# Altium PCB higgs.PcbDoc (part 21 of 25) (continued)
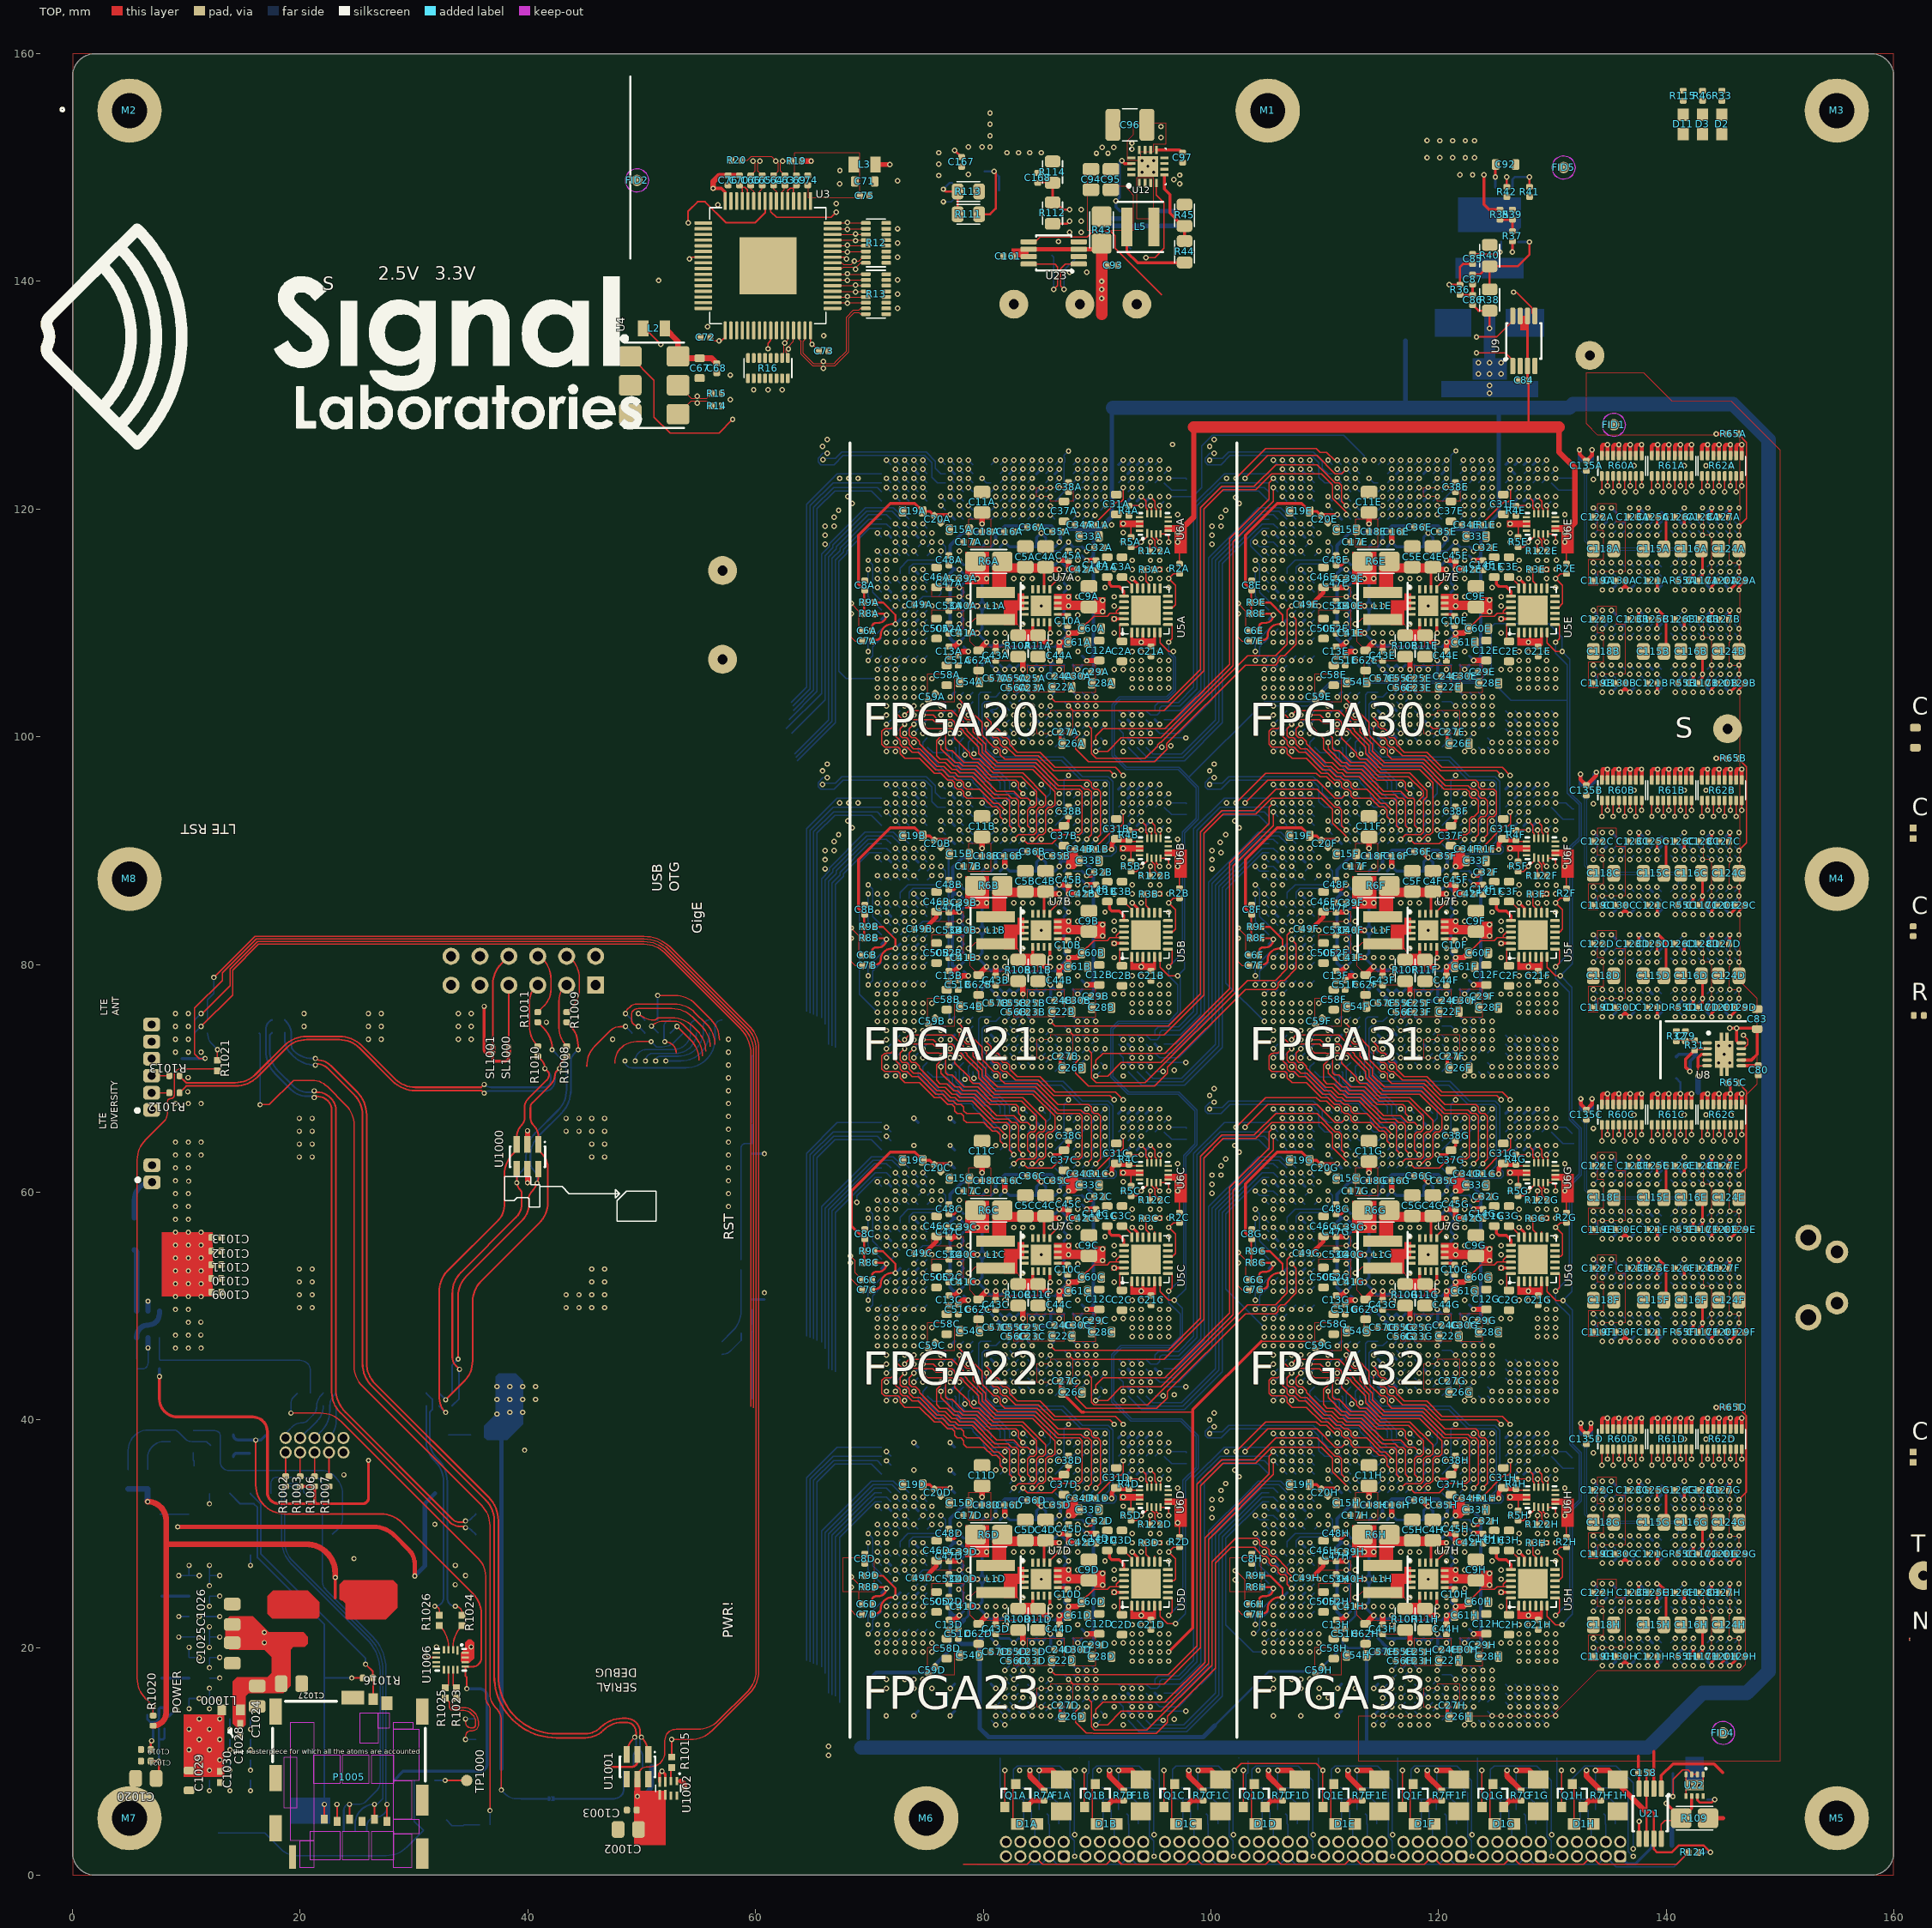
[diagram p0: TOP view]
## Nets (pads, with @x,y where several pads share a name; then routed paths per layer and width w, separated by ;. In a path a pad name is that pad's centre, name@x,y a point inside that pad or via, vN(x,y) a via of type N, cw(c..) or ccw(c..) an arc to the next point about the centre after c; other vN are vias at no path point) (continued)
  BOT w0.102: U1D.B17@71.9,25.6 v1(72.3,26) ; U1C.B17@71.9,54.1 v1(72.3,54.5) ; U1B.B17@71.9,82.6 v1(72.3,83) ; U1A.B17@71.9,111.1 v1(72.3,111.5) ; U1H.C15@106.7,27.2 U1H.C15@106.7,27.2 v1(107.099,27.599) ; U1G.C15@106.699,55.699 U1G.C15@106.7,55.7 v1(107.099,56.099) ; U1F.C15@106.7,84.2 U1F.C15@106.7,84.2 v1(107.099,84.599) ; U1E.C15@106.699,112.699 v1(107.099,113.099)
IMIB135.S29: U1A.A17 U1B.A17 U1C.A17 U1D.A17 U1E.C13 U1F.C13 U1G.C13 U1H.C13 | length 290.1
  S3(V12/V2V5) w0.102: v1(69.9,114.7) 69.501,114.301 69.501,86.599 v1(69.9,86.2) 69.501,85.801 69.501,58.099 v1(69.9,57.7) 69.501,57.301 69.501,29.599 v1(69.9,29.2) 69.501,28.801 69.501,26.635 72.136,23.999 72.465,23.999 72.699,23.765 72.699,23.437 72.936,23.199 73.265,23.199 73.501,22.964 73.501,22.635 74.136,22 75.706,22 76.856,20.85 77.3,20.85 79.52,18.63 79.52,17.677 79.525,17.672 79.525,17.528 79.52,17.523 79.52,15.816 80.136,15.199 80.465,15.199 80.701,14.964 80.701,14.635 80.936,14.399 81.265,14.399 81.501,14.164 81.501,13.835 81.735,13.601 82.265,13.601 82.456,13.41 82.69,13.41 83.45,12.65 ; 83.45,12.625 96.589,12.625 104.301,20.336 104.301,20.565 104.535,20.799 104.864,20.799 105.101,21.037 105.101,21.365 105.335,21.599 105.67,21.599 106.701,22.63 106.701,22.965 106.935,23.199 107.264,23.199 107.501,23.437 107.501,23.765 107.735,23.999 108.064,23.999 108.299,24.235 108.299,24.564 108.535,24.799 108.87,24.799 110.699,26.629 110.699,30.401 v1(110.3,30.8) 110.699,31.199 110.699,58.901 v1(110.3,59.3) 110.699,59.699 110.699,87.401 v1(110.3,87.8) 110.699,88.199 110.699,115.901 v1(110.3,116.3) 110.699,116.699 110.699,124.594 106.299,128.994 106.299,131.665
  BOT w0.102: v1(69.9,29.2) 69.9,26.8 U1D.A17@71.1,25.6 ; v1(69.9,57.7) 69.9,55.3 U1C.A17@71.1,54.1 ; v1(69.9,86.2) 69.9,83.8 U1B.A17@71.1,82.6 ; v1(69.9,114.7) 69.9,112.3 U1A.A17@71.1,111.1 ; U1H.C13@106.7,28.8 106.7,29.3 107.4,30 110.065,30 110.3,30.235 v1(110.3,30.8) ; U1G.C13@106.7,57.3 106.7,57.8 107.4,58.5 110.065,58.5 110.3,58.735 v1(110.3,59.3) ; U1F.C13@106.7,85.8 106.7,86.3 107.4,87 110.065,87 110.3,87.235 v1(110.3,87.8) ; U1E.C13@106.7,114.3 106.7,114.8 107.4,115.5 110.065,115.5 110.3,115.735 v1(110.3,116.3)
INA: T9.3
INB: T7.3
JTAG_13.TDI: J5A.9 | length 5.3
  S5(V) w0.1: 76.975,0.96 81.31,0.96 J5A.9@82,1.65
JTAG_20.TDI: J5A.7 J5B.9 | length 6.3
  S5(V) w0.1: J5A.7@83.27,1.65 83.96,0.96 88.295,0.96 J5B.9@88.985,1.65
JTAG_21.TDI: J5B.7 J5C.9 | length 6.3
  S5(V) w0.1: J5B.7@90.255,1.65 90.945,0.96 95.28,0.96 J5C.9@95.97,1.65
JTAG_22.TDI: J5C.7 J5D.9 | length 6.3
  S5(V) w0.1: J5C.7@97.24,1.65 97.93,0.96 102.265,0.96 J5D.9@102.955,1.65
JTAG_23.TDI: J5D.7 J5E.9 | length 6.3
  S5(V) w0.1: J5D.7@104.225,1.65 104.915,0.96 109.25,0.96 J5E.9@109.94,1.65
JTAG_30.TDI: J5E.7 J5F.9 | length 6.3
  S5(V) w0.1: J5E.7@111.21,1.65 111.9,0.96 116.235,0.96 J5F.9@116.925,1.65
JTAG_31.TDI: J5F.7 J5G.9 | length 6.3
  S5(V) w0.1: J5F.7@118.195,1.65 118.885,0.96 123.22,0.96 J5G.9@123.91,1.65
JTAG_32.TDI: J5G.7 J5H.9 | length 6.3
  S5(V) w0.1: J5G.7@125.18,1.65 125.87,0.96 130.205,0.96 J5H.9@130.895,1.65
JTAGI.TCK: R124.2
JTAGI.TMS: R123.1
JTAGO2.TCK: J5A.5 J5B.5 J5C.5 J5D.5 J5E.5 J5F.5 J5G.5 J5H.5 R30.2 | length 69.6
  TOP w0.1: 78.245,0.96 83.85,0.96 J5A.5@84.54,1.65 85.23,0.96 90.835,0.96 91.475,1.6 92.115,0.96 97.82,0.96 J5C.5@98.51,1.65 99.2,0.96 104.805,0.96 J5D.5@105.495,1.65 106.185,0.96 111.79,0.96 J5E.5@112.48,1.65 113.17,0.96 118.775,0.96 J5F.5@119.465,1.65 120.155,0.96 125.76,0.96 J5G.5@126.45,1.65 127.14,0.96 132.745,0.96 J5H.5@133.435,1.65 134.125,0.96 140.915,0.96 141.955,2 ; J5B.5@91.525,1.65 92.208,0.967
JTAGO2.TDI: J5H.7 | length 1.5
  S1(V) w0.1: J5H.7@132.165,1.65 132.808,1.008 132.42,0.62
JTAGO2.TMS: J5A.3 J5B.3 J5C.3 J5D.3 J5E.3 J5F.3 J5G.3 J5H.3 R29.1 | length 67.6
  BOT w0.1: 79.515,0.96 85.12,0.96 J5A.3@85.81,1.65 86.5,0.96 92.105,0.96 J5B.3@92.795,1.65 93.485,0.96 99.09,0.96 J5C.3@99.78,1.65 100.47,0.96 106.075,0.96 J5D.3@106.765,1.65 107.455,0.96 113.06,0.96 J5E.3@113.75,1.65 114.44,0.96 120.045,0.96 J5F.3@120.735,1.65 121.425,0.96 127.03,0.96 J5G.3@127.72,1.65 128.41,0.96 134.015,0.96 J5H.3@134.705,1.65 135.621,0.734 140.689,0.734 R29.1@141.955,2
MCLK.C_N: C64.2 R20.1 | length 17.1
  TOP w0.089: R20.1@58.785,150.626 59.289,150.626 59.629,150.966 61.399,150.966 v1(61.792,150.573) 61.988,150.376 61.988,149.704 C64.2@61.59,149.306
  S5(V) w0.089: v1(61.792,150.573) 62.195,150.976 65.056,150.976 65.356,150.676 ; 80.134,154.9 80.434,155.2 88.416,155.2
MCLK.C_P: C63.2 R19.1 | length 12
  TOP w0.089: C63.2@62.59,149.306 62.192,149.704 62.192,150.376 v1(62.389,150.573) 63.092,150.573 R19.1@63.145,150.626
  S5(V) w0.089: v1(62.389,150.573) 63.635,149.326 ; 78.95,153.55 79.2,153.3 86.803,153.3
MCLK_C_N: C64.1 U3.7 | length 1.5
  TOP w0.089: C64.1@61.59,148.446 61.59,148.132 61.84,147.882 U3.7@61.84,147.056
MCLK_C_P: C63.1 U3.6 | length 1.5
  TOP w0.089: U3.6@62.34,147.056 62.34,147.882 62.545,148.086 62.545,148.248 62.59,148.294 C63.1@62.59,148.446
MICOM_INT: U1003.PAK5
NetC1A_2: C1A.2 U5A.19 | length 2.7
  TOP w0.254: C1A.2@90.9,114.025 91.1,113.825 91.1,113.4 91.3,113.2 91.95,113.2 92.365,112.785 U5A.19@92.365,112.35
NetC1B_2: C1B.2 U5B.19 | length 2.7
  TOP w0.254: C1B.2@90.9,85.525 91.1,85.325 91.1,84.9 91.3,84.7 91.95,84.7 92.365,84.285 U5B.19@92.365,83.85
NetC1C_2: C1C.2 U5C.19 | length 2.7
  TOP w0.254: C1C.2@90.9,57.025 91.1,56.825 91.1,56.4 91.3,56.2 91.95,56.2 92.365,55.785 U5C.19@92.365,55.35
NetC1D_2: C1D.2 U5D.19 | length 2.7
  TOP w0.254: C1D.2@90.9,28.525 91.1,28.325 91.1,27.9 91.3,27.7 91.95,27.7 92.365,27.285 U5D.19@92.365,26.85
NetC1E_2: C1E.2 U5E.19 | length 2.7
  TOP w0.254: C1E.2@124.9,114.025 125.1,113.825 125.1,113.4 125.3,113.2 125.95,113.2 126.365,112.785 U5E.19@126.365,112.35
NetC1F_2: C1F.2 U5F.19 | length 2.7
  TOP w0.254: C1F.2@124.9,85.525 125.1,85.325 125.1,84.9 125.3,84.7 125.95,84.7 126.365,84.285 U5F.19@126.365,83.85
NetC1G_2: C1G.2 U5G.19 | length 2.7
  TOP w0.254: C1G.2@124.9,57.025 125.1,56.825 125.1,56.4 125.3,56.2 125.95,56.2 126.365,55.785 U5G.19@126.365,55.35
NetC1H_2: C1H.2 U5H.19 | length 2.7
  TOP w0.254: C1H.2@124.9,28.525 125.1,28.325 125.1,27.9 125.3,27.7 125.95,27.7 126.365,27.285 U5H.19@126.365,26.85
NetC2A_2: C2A.2 U5A.24 | length 1.2
  TOP w0.1: C2A.2@91.985,108.615 U5A.24@91.985,109.85
NetC2B_2: C2B.2 U5B.24 | length 1.2
  TOP w0.1: C2B.2@91.985,80.115 U5B.24@91.985,81.35
NetC2C_2: C2C.2 U5C.24 | length 1.2
  TOP w0.1: C2C.2@91.985,51.615 U5C.24@91.985,52.85
NetC2D_2: C2D.2 U5D.24 | length 1.2
  TOP w0.1: C2D.2@91.985,23.115 U5D.24@91.985,24.35
NetC2E_2: C2E.2 U5E.24 | length 1.2
  TOP w0.1: C2E.2@125.985,108.615 U5E.24@125.985,109.85
NetC2F_2: C2F.2 U5F.24 | length 1.2
  TOP w0.1: C2F.2@125.985,80.115 U5F.24@125.985,81.35
NetC2G_2: C2G.2 U5G.24 | length 1.2
  TOP w0.1: C2G.2@125.985,51.615 U5G.24@125.985,52.85
NetC2H_2: C2H.2 U5H.24 | length 1.2
  TOP w0.1: C2H.2@125.985,23.115 U5H.24@125.985,24.35
NetC3A_2: C3A.2 U5A.18 | length 1.7
  TOP w0.127: C3A.2@92.351,114.025 U5A.18@93.05,113.326
  TOP w0.2: C3A.2@92,114.125 92.1,114.125 C3A.2@92.2,114.025 C3A.2@92.351,114.025 ; U5A.18@93.05,113.035 U5A.18@93.05,113.326
NetC3B_2: C3B.2 U5B.18 | length 1.7
  TOP w0.127: C3B.2@92.351,85.525 U5B.18@93.05,84.826
  TOP w0.2: C3B.2@92,85.625 92.1,85.625 C3B.2@92.2,85.525 C3B.2@92.351,85.525 ; U5B.18@93.05,84.535 U5B.18@93.05,84.826
NetC3C_2: C3C.2 U5C.18 | length 1.7
  TOP w0.127: C3C.2@92.351,57.025 U5C.18@93.05,56.326
  TOP w0.2: C3C.2@92,57.125 92.1,57.125 C3C.2@92.2,57.025 C3C.2@92.351,57.025 ; U5C.18@93.05,56.035 U5C.18@93.05,56.326
NetC3D_2: C3D.2 U5D.18 | length 1.7
  TOP w0.127: C3D.2@92.351,28.525 U5D.18@93.05,27.826
  TOP w0.2: C3D.2@92,28.625 92.1,28.625 C3D.2@92.2,28.525 C3D.2@92.351,28.525 ; U5D.18@93.05,27.535 U5D.18@93.05,27.826
NetC3E_2: C3E.2 U5E.18 | length 1.7
  TOP w0.127: C3E.2@126.351,114.025 U5E.18@127.05,113.326
  TOP w0.2: C3E.2@126,114.125 126.1,114.125 C3E.2@126.2,114.025 C3E.2@126.351,114.025 ; U5E.18@127.05,113.035 U5E.18@127.05,113.326
NetC3F_2: C3F.2 U5F.18 | length 1.7
  TOP w0.127: C3F.2@126.351,85.525 U5F.18@127.05,84.826
  TOP w0.2: C3F.2@126,85.625 126.1,85.625 C3F.2@126.2,85.525 C3F.2@126.351,85.525 ; U5F.18@127.05,84.535 U5F.18@127.05,84.826
NetC3G_2: C3G.2 U5G.18 | length 1.7
  TOP w0.127: C3G.2@126.351,57.025 U5G.18@127.05,56.326
  TOP w0.2: C3G.2@126,57.125 126.1,57.125 C3G.2@126.2,57.025 C3G.2@126.351,57.025 ; U5G.18@127.05,56.035 U5G.18@127.05,56.326
NetC3H_2: C3H.2 U5H.18 | length 1.7
  TOP w0.127: C3H.2@126.351,28.525 U5H.18@127.05,27.826
  TOP w0.2: C3H.2@126,28.625 126.1,28.625 C3H.2@126.2,28.525 C3H.2@126.351,28.525 ; U5H.18@127.05,27.535 U5H.18@127.05,27.826
NetC10A_1: C10A.1 U7A.9
NetC10B_1: C10B.1 U7B.9
NetC10C_1: C10C.1 U7C.9
NetC10D_1: C10D.1 U7D.9
NetC10E_1: C10E.1 U7E.9
NetC10F_1: C10F.1 U7F.9
NetC10G_1: C10G.1 U7G.9
NetC10H_1: C10H.1 U7H.9
NetC67_2: C67.2 C68.2 L2.1 U4.6 | length 6.6
  TOP w0.508: L2.1@52.045,135.876 53.19,134.731 U4.6@53.19,133.416 53.355,133.251 C67.2@55.09,133.251 56.145,133.251 C68.2@56.59,132.806
NetC69_1: C69.1 C70.1 C71.2 C72.2 C73.2 C74.2 C75.1 C76.1 L3.1 U3.1 U3.16 U3.23 U3.33 U3.41 U3.48 U3.58 | length 58.9
  TOP w0.095: v1(54.19,141.976) 54.34,142.126 U3.23@55.41,142.126 ; C72.2@56.02,135.076 56.32,134.776 v1(56.79,134.776) 56.99,134.776 57.34,135.126 U3.33@57.34,135.696 ; v1(61.09,134.076) 61.09,134.558 61.34,134.808 U3.41@61.34,135.696 ; U3.48@64.84,135.696 64.84,134.61 v1(64.967,134.483) 64.983,134.483 65.56,133.906 C73.2@65.56,133.876 ; U3.58@66.77,142.126 67.84,142.126 v1(67.99,141.976)
  TOP w0.28: v1(56.29,148.176) 56.99,148.176 57.34,147.826 U3.16@57.34,147.056
  TOP w0.483: v1(56.29,148.176) 56.29,148.776 56.82,149.306 C76.1@57.59,149.306 C70.1@58.59,149.306
  S4(VDDR) w0.381: v1(54.19,141.976) 54.253,142.039 54.328,142.039 54.644,142.354 54.644,145.63 56.29,147.276 ; v1@56.29,148.276 v1(56.29,148.176) 56.29,147.276 ; v1@56.79,134.876 57.49,135.576 60.99,135.576 ; v1(61.09,134.076) 61.029,134.137 61.029,135.537 60.99,135.576 ; v1@64.99,134.476 64.09,135.376 64.09,135.576 ; v1(67.415,149.726) 67.415,148.601 v1(67.39,148.576) 66.99,148.576 65.69,147.276 ; v1(67.99,141.976) 65.69,141.976 ; 56.29,147.276 65.69,147.276 ; 60.99,135.576 64.09,135.576 ; 64.09,135.576 65.69,137.176 65.69,141.976 ; 65.69,141.976 65.69,147.276
NetC69_2: C69.2 U3.4 U3.5 | length 2.7
  TOP w0.095: U3.5@62.84,147.056 62.84,147.99 63.046,148.196 63.34,148.196 U3.4@63.34,147.056
NetC70_2: C70.2 U3.12 U3.13 | length 3.3
  TOP w0.095: U3.13@58.84,147.056 C70.2@58.84,148.326 ; 58.89,148.276 59.054,148.276 59.295,148.035 59.295,147.101 U3.12@59.34,147.056 U3.12@59.34,147.626
NetC79_1: C79.1 R31.2 R32.1 U8.1 | length 2.9
  TOP w0.1: R32.1@140.8,73.255 140.89,73.345 R31.2@142.5,73.345 142.555,73.345 142.8,73.1 U8.1@143.6,73.1
NetC80_2: C80.2 U8.6 | length 1.5
  TOP w0.28: U8.6@146.6,71.1 148.07,71.1 C80.2@148.1,71.13
NetC85_1: C85.1 L4.1 R36.2 U10.6 U10.7 U10.8 U10.9 U10.10 U10.11 | length 3.7
  TOP w0.2: v1(120.955,139.71) R36.2@121.9,139.71 121.9,141.265 122.17,141.535 C85.1@123,141.535
NetC85_2: C85.2 U10.4 | length 3.5
  TOP w0.2: C85.2@123,142.395 125.33,142.395 125.397,142.462 v1(125.397,142.575)
  BOT w0.2: v1(125.397,142.575) 125.5,142.678 U10.4@125.5,143.48
NetC86_1: C86.1 C90.1 C91.1 L4.2 R34.1 R38.2 | length 3.3
  TOP w0.2: C86.1@123,137.935 123.51,137.425 R38.2@124.5,137.425 v1(124.5,135.865)
NetC86_2: C86.2 C87.1 R36.1 | length 2.1
  TOP w0.2: R36.1@121.9,138.82 121.925,138.795 C86.2@123,138.795 C87.1@123,139.735
NetC87_2: C87.2 R38.1 R40.2 U10.1 | length 9.9
  TOP w0.2: C87.2@123,140.595 123.63,140.595 124.36,141.325 R40.2@124.5,141.325 ; R38.1@124.5,139.305 R40.2@124.5,141.325 ; v1(128,143.465) 128,142.365 126.96,141.325 R40.2@124.5,141.325
  BOT w0.2: U10.1@127,143.48 127.015,143.465 v1(128,143.465)
NetC92_2: C92.2 U10.18 | length 2
  TOP w0.2: v1(125,149.165) 125,150.24 C92.2@125.025,150.265
  BOT w0.2: U10.18@125,148.25 v1(125,149.165)
NetC94_2: C94.2 C95.2 L5.2 R43.1 R44.2 U11.8 U12.14 | length 13.9
  TOP w0.254: v1(92.182,150.596) 92.426,150.352 U12.14@93.02,150.352 ; L5.2@92.623,144.784 92.623,142.577 93.575,141.625 97.7,141.625 R44.2@97.7,141.66
  BOT w0.254: v1(92.182,150.596) 91.982,150.396 91.982,147.36 v1(91.676,147.054) 91.676,146.524 92.025,146.175 U11.8@92.5,146.175
NetC97_1: C97.1 U12.9 | length 2.4
  TOP w0.254: U12.9@95.22,151.552 97.26,151.552 C97.1@97.518,151.294
NetC101A_2: C101A.2 R17A.1 U2A.13
NetC101B_2: C101B.2 R17B.1 U2B.13
NetC102A_2: C102A.2 R18A.1 U2A.4
NetC102B_2: C102B.2 R18B.1 U2B.4
NetC103A_1: C103A.1 C104A.1 R21A.1 U2A.10 U2A.11
NetC103A_2: C103A.2 C105A.1 L6A.1
NetC103B_1: C103B.1 C104B.1 R21B.1 U2B.10 U2B.11
NetC103B_2: C103B.2 C105B.1 L6B.1
NetC107A_1: C107A.1 R24A.2
NetC107A_2: C107A.2 L7A.2 R22A.1 R23A.2 U13A.5
NetC107B_1: C107B.1 R24B.2
NetC107B_2: C107B.2 L7B.2 R22B.1 R23B.2 U13B.5
NetC111A_1: U13A.7
NetC111A_2: L7A.1
NetC111B_1: U13B.7
NetC111B_2: L7B.1
NetC112A_2: U13A.3
NetC112B_2: U13B.3
NetC113A_1: U13A.13
NetC113B_1: U13B.13
NetC133_1: C133.1 R57.1 R59.2 U15.5
NetC134_1: C134.1 U15.4
NetC135A_2: C135A.2 R63A.1 R64A.1 | length 4.4
  TOP w0.34: v1(132.383,125.206) 132.383,124.847 C135A.2@133,124.23 133.5,124.73 v1(133.5,125.2)
  BOT w0.34: v1(132.383,125.206) 132.383,124.362 R63A.1@132.5,124.245 ; R64A.1@133.4,124.245 133.5,124.345 v1(133.5,125.2)
NetC135B_2: C135B.2 R63B.1 R64B.1 | length 5
  TOP w0.34: v1(132.475,96.7) 132.475,96.272 132.508,96.238 132.5,96.23 C135B.2@133,95.73 133.87,96.6 v1(133.87,96.88)
  BOT w0.34: v1(132.475,96.7) 132.475,95.82 132.525,95.77 R63B.1@132.5,95.745 ; R64B.1@133.4,95.745 133.668,96.013 133.668,96.689 133.86,96.88 v1(133.87,96.88)
NetC135C_2: C135C.2 R63C.1 R64C.1 | length 4.3
  TOP w0.34: v1(132.5,68.2) 132.5,67.73 C135C.2@133,67.23 133.5,67.73 v1(133.5,68.2)
  BOT w0.34: R63C.1@132.5,67.245 v1(132.5,68.2) ; R64C.1@133.4,67.245 133.5,67.345 v1(133.5,68.2)
NetC135D_2: C135D.2 R63D.1 R64D.1 | length 4.2
  TOP w0.34: v1(132.5,39.7) 132.5,39.23 C135D.2@133,38.73 133.4,39.13 v1(133.4,39.7)
  BOT w0.34: R63D.1@132.5,38.745 v1(132.5,39.7) ; R64D.1@133.4,38.745 v1(133.4,39.7)
NetC142A_2: C142A.2 C143A.2 C144A.2 C145A.2 C146A.2 R26A.2 U16A.5 U16A.6 U17A.16
NetC142B_2: C142B.2 C143B.2 C144B.2 C145B.2 C146B.2 R26B.2 U16B.5 U16B.6 U17B.16
NetC147A_2: C147A.2 C149A.2 C150A.2 U17A.2 U17A.3 U17A.4
NetC147B_2: C147B.2 C149B.2 C150B.2 U17B.2 U17B.3 U17B.4
NetC148A_1: C148A.1 C151A.2 U17A.9 U17A.10 U17A.11 U17A.12
NetC148B_1: C148B.1 C151B.2 U17B.9 U17B.10 U17B.11 U17B.12
NetC153_2: C153.2 T1.6
NetC154_2: C154.2 T1.4
NetC155_2: C155.2 T2.6
NetC156_2: C156.2 T2.4
NetC157_2: C157.2 T3.6
NetC159_2: C159.2 L8.2 R109.1 U21.8 U22.6 | length 12.3
  TOP w0.1: U21.8@139.575,3.2 139.575,4.475 139.9,4.8 R109.1@140.8,4.8
  TOP w0.254: v1(140.01,6.31) R109.1@141.32,5 ; R109.1@141.4,5 142.25,5.85 U22.6@142.25,6.95
  BOT w0.254: v1(140.01,6.31) 140.62,5.7 L8.2@141.65,5.7
  BOT w0.4: C159.2@140.5,2.6 140.5,4.1 141.65,5.25 L8.2@141.65,5.7
NetC162_2: C162.2 C163.2 L9.2 R110.1 R111.2 U23.8 U24.14 | length 15.4
  TOP w0.1: U23.8@84,141.525 86.295,141.525 86.55,141.27 86.55,139.65 v1(86.2,139.3)
  TOP w0.2: R111.2@79.64,145.9 80.6,145.9 81.1,146.4 81.1,149.5 v1@80.975,149.625
  BOT w0.1: R110.1@86.02,142.3 86.2,142.12 v1(86.2,139.3)
  BOT w0.2: U24.14@80.15,149.65 v1(80.95,149.65) 81.4,149.2 81.4,148
NetC167_2: C167.2 U24.9 | length 1.7
  TOP w0.2: v1(77.5,151.5) 77.53,151.5 C167.2@78.1,150.93
  BOT w0.2: v1(77.5,151.5) 77.95,151.05 U24.9@77.95,150.85
NetC169_2: C169.2 T3.4
NetC170_2: C170.2 T4.6
NetC171_2: C171.2 T4.4
NetC172_2: C172.2 T5.6
NetC173_2: C173.2 T5.4
NetC174_2: C174.2 T6.6
NetC175_2: C175.2 T6.4
NetC176_2: C176.2 T7.6
NetC177_2: C177.2 T7.4
NetC178_2: C178.2 L11.2 L12.2
NetC180_2: C180.2 T8.6
NetC181_2: C181.2 T8.4
NetC182_2: C182.2 L13.2 L14.2
NetC184_2: C184.2 T9.6
NetC185_2: C185.2 T9.4
NetC186_2: C186.2 L15.2 L16.2
NetC188_2: C188.2 T10.6
NetC189_2: C189.2 T10.4
NetC190_2: C190.2 L17.2 L18.2
NetC1000_2: C1000.2 R1000.1 R1004.1 S1000.1 S1000.4 | length 18.6
  BOT w0.127: R1004.1@58.729,54.074 58.729,63.869 cw(c59.124,63.869) 59.124,64.264 R1000.1@59.729,64.264 C1000.2@59.729,65.938 ; C1000.2@59.654,66.119 59.654,71.788 cw(c59.91,71.788) S1000.1@59.729,71.969
NetC1001_2: C1001.2 R1001.1 R1005.1 S1001.1 S1001.4 | length 7.9
  BOT w0.127: R1005.1@59.654,47.613 ccw(c59.485,47.782) R1005.1@59.724,47.782 ; R1005.1@59.684,47.613 59.684,46.078 ccw(c59.838,46.078) S1001.1@59.729,45.969 S1001.4@59.729,41.869 ; R1001.1@59.729,49.674 C1001.2@59.729,48.756 59.729,48.379 ccw(c59.814,48.379) 59.754,48.319 R1005.1@59.754,47.74
NetC1019_2: C1019.2 U1004.7 | length 1.8
  TOP w0.203: C1019.2@6.871,11.037 6.871,11.721 v2(6.949,11.799)
  BOT w0.203: v2(6.949,11.799) 7.079,11.929 U1004.7@7.079,12.774
NetD1A_2: D1A.2 Q1A.3 | length 3.8
  TOP w0.1: Q1A.3@82.865,8 82.605,7.74 82.605,4.91 D1A.2@83.015,4.5
NetD1B_2: D1B.2 Q1B.3 | length 3.8
  TOP w0.1: Q1B.3@89.845,7.995 89.585,7.735 89.585,4.905 D1B.2@89.995,4.495
NetD1C_2: D1C.2 Q1C.3 | length 3.8
  TOP w0.1: Q1C.3@96.835,8 96.575,7.74 96.575,4.91 D1C.2@96.985,4.5
NetD1D_2: D1D.2 Q1D.3 | length 4
  TOP w0.1: Q1D.3@103.82,8 103.56,7.74 103.56,4.91 D1D.2@103.97,4.5
  TOP w0.483: D1D.2@103.82,4.65 D1D.2@103.97,4.5
NetD1E_2: D1E.2 Q1E.3 | length 3.8
  TOP w0.1: Q1E.3@110.805,8 110.545,7.74 110.545,4.91 D1E.2@110.955,4.5
NetD1F_2: D1F.2 Q1F.3 | length 3.8
  TOP w0.1: Q1F.3@117.79,8 117.53,7.74 117.53,4.91 D1F.2@117.94,4.5
NetD1G_2: D1G.2 Q1G.3 | length 3.8
  TOP w0.1: Q1G.3@124.775,8 124.515,7.74 124.515,4.91 D1G.2@124.925,4.5
NetD1H_2: D1H.2 Q1H.3 | length 3.5
  TOP w0.1: Q1H.3@131.9,8 131.91,7.99 D1H.2@131.91,4.5
NetD2_1: D2.1 R33.1 U8.9 | length 117.7
  TOP w0.102: U8.9@146.6,72.6 146.806,72.6 147.183,72.977 147.183,73.398 v1(146.8,73.781)
  S2(H) w0.102: 69.2,19.2 69.2,23.464 71.336,25.6 73.715,25.6 73.74,25.625 74.071,25.625 74.096,25.6 77.265,25.6 78.301,26.637 78.301,26.965 78.535,27.199 78.864,27.199 79.901,28.236 79.901,28.565 80.135,28.799 80.504,28.799 87.705,36.001 96.201,36.001 98.4,38.2 98.4,40.7 103.501,45.801 103.501,49.865 103.736,50.1 107.069,50.1 107.373,50.404 109.304,50.404 111.099,52.199 111.099,53.6 111.899,54.4 112.5,54.4 113.799,55.699 130.599,55.699 131.9,57 131.9,68.5 132.5,69.1 144.7,69.1 146.8,71.2 v1(146.8,73.781)
NetD3_1: D3.1 R46.1 U12.4 | length 20.2
  TOP w0.102: v1(94.3,142.1) 95.1,142.1 95.9,142.9 95.9,146.9 95.22,147.58 U12.4@95.22,148.652
  S1(V) w0.102: 93.563,145.237 94.3,144.5 v1(94.3,142.1) ; 136.7,7.72 139.957,4.462 144.1,4.462
NetD11_1: D11.1 R115.1 U24.4 | length 11.3
  S1(V) w0.102: 136.779,7.91 140.036,4.653 144.179,4.653
  S6(H) w0.102: v1(76.5,147) 76.899,147.399
  BOT w0.102: v1(76.5,147) 77.181,147 77.95,147.769 U24.4@77.95,147.95
NetD1001_2: D1001.2 R1019.1 | length 2
  BOT w0.127: R1019.1@33.024,38.669 D1001.2@34.979,38.669
NetD1002_2: D1002.2 Q1002.3 | length 3.9
  BOT w0.102: D1002.2@6.596,35.62 6.596,36.652 cw(c8.032,36.652) 8.032,38.088 Q1002.3@8.616,38.088
NetD1003_2: D1003.2 Q1003.3 | length 10.5
  BOT w0.102: D1003.2@4.896,35.62 4.892,35.62 4.892,37.326 cw(c6.67,37.326) 6.67,39.104 8.854,39.104 cw(c8.854,38.491) 9.288,38.924 9.87,38.342 ccw(c10.483,38.955) 10.483,38.088 11.76,38.088 Q1003.3@12.129,37.719
NetF1000_1: F1000.1 Q1000.4 | length 5.5
  BOT w0.457: F1000.1@5.429,54.919 cw(c5.429,54.719) 5.629,54.719 Q1000.4@5.629,49.544
NetF1000_2: F1000.2 P1006.1 | length 4
  BOT w0.457: F1000.2@5.429,57.719 5.429,59.319 cw(c6.979,59.319) P1006.1@6.979,60.869
NetJ1000_3: J1000.3 R1007.1 | length 2.1
  TOP w0.127: R1007.1@22.53,35.04 J1000.3@22.53,37.135
NetJ1000_5: J1000.5 R1006.1 | length 2.1
  TOP w0.127: R1006.1@21.26,35.04 J1000.5@21.26,37.135
NetJ1000_7: J1000.7 R1003.1 | length 2.1
  TOP w0.127: R1003.1@19.99,35.04 J1000.7@19.99,37.135
NetJ1000_9: J1000.9 R1002.1 | length 2.1
  TOP w0.127: R1002.1@18.72,35.04 J1000.9@18.72,37.135
NetL1A_1: L1A.1 U7A.1 U7A.2 U7A.3
NetL1B_1: L1B.1 U7B.1 U7B.2 U7B.3
NetL1C_1: L1C.1 U7C.1 U7C.2 U7C.3
NetL1D_1: L1D.1 U7D.1 U7D.2 U7D.3
NetL1E_1: L1E.1 U7E.1 U7E.2 U7E.3
NetL1F_1: L1F.1 U7F.1 U7F.2 U7F.3
NetL1G_1: L1G.1 U7G.1 U7G.2 U7G.3
NetL1H_1: L1H.1 U7H.1 U7H.2 U7H.3
NetL5_1: L5.1 U12.1 U12.2 U12.3
NetL8_1: L8.1 U22.7 | length 2.7
  TOP w0.2: U22.7@142.75,6.95 142.75,6.6 142.975,6.375 144,6.375 v1@144.25,6.625
  BOT w0.2: L8.1@143.65,6.65 v1(144.275,6.65)
NetL9_1: L9.1 U24.1 U24.2 U24.3
NetP1_1: P1.1 T1.3
NetP2_1: P2.1 T2.3
NetP3_1: P3.1 T3.3
NetP4_1: P4.1 T4.3
NetP5_1: P5.1 T5.3
NetP6_1: P6.1 T6.3
NetP1001_3: P1001.3 R1008.2 | length 5.9
  TOP w0.127: R1008.2@43.409,72.824 cw(c45.051,74.466) 42.729,74.466 42.729,76.737 cw(c45.051,76.737) P1001.3@43.409,78.379
NetP1001_4: P1001.4 R1009.1 | length 5.8
  TOP w0.127: P1001.4@43.409,80.919 43.785,80.543 cw(c41.989,78.747) 44.529,78.747 44.529,77.839 cw(c42.308,77.839) 43.878,76.268 R1009.1@43.42,75.81
NetP1001_5: P1001.5 R1010.2 | length 6
  TOP w0.127: R1010.2@40.869,72.824 cw(c42.656,74.611) 40.129,74.611 40.129,76.592 cw(c42.656,76.592) P1001.5@40.869,78.379
NetP1001_6: P1001.6 R1011.1 | length 5.9
  TOP w0.127: R1011.1@40.869,75.81 41.415,76.356 ccw(c39.931,77.839) 42.029,77.839 42.029,78.707 ccw(c39.489,78.707) 41.285,80.503 P1001.6@40.869,80.919
NetP1001_7: P1001.7 SL1000.2 | length 5.4
  TOP w0.152: SL1000.2@38.318,72.79 38.318,78.152 cw(c38.356,78.152) P1001.7@38.329,78.179
NetP1001_8: P1001.8 SL1001.1 | length 8.4
  TOP w0.152: SL1001.1@36.921,72.84 36.921,78.259 cw(c39.461,78.259) 37.665,80.055 P1001.8@38.329,80.719
NetP1002_2: P1002.2 R1012.1 | length 1.6
  TOP w0.127: P1002.2@6.949,68.719 R1012.1@8.504,68.719
NetP1002_3: P1002.3 R1013.1 | length 1.6
  TOP w0.127: P1002.3@6.949,70.219 R1013.1@8.504,70.219
NetP1004_4: P1004.4 SL1002.1 | length 8.1
  BOT w0.152: SL1002.1@42.384,6.719 47.583,6.719 ccw(c47.583,7.565) 48.429,7.565 P1004.4@48.429,9.119
NetQ1A_2: Q1A.2 R7A.1 | length 1.8
  TOP w0.457: Q1A.2@83.815,6 84.37,6.555 R7A.1@85.365,6.555
NetQ1B_2: Q1B.2 R7B.1 | length 1.8
  TOP w0.457: Q1B.2@90.8,6 91.355,6.555 R7B.1@92.35,6.555
NetQ1C_2: Q1C.2 R7C.1 | length 1.8
  TOP w0.457: Q1C.2@97.785,6 98.34,6.555 R7C.1@99.335,6.555
NetQ1D_2: Q1D.2 R7D.1 | length 1.8
  TOP w0.457: Q1D.2@104.77,6 105.325,6.555 R7D.1@106.32,6.555
NetQ1E_2: Q1E.2 R7E.1 | length 1.8
  TOP w0.457: Q1E.2@111.755,6 112.31,6.555 R7E.1@113.305,6.555
NetQ1F_2: Q1F.2 R7F.1 | length 1.8
  TOP w0.457: Q1F.2@118.74,6 119.295,6.555 R7F.1@120.29,6.555
NetQ1G_2: Q1G.2 R7G.1 | length 1.8
  TOP w0.457: Q1G.2@125.725,6 126.28,6.555 R7G.1@127.275,6.555
NetQ1H_2: Q1H.2 R7H.1 | length 1.8
  TOP w0.457: Q1H.2@132.71,6 133.265,6.555 R7H.1@134.26,6.555
NetQ1000_3: Q1000.3 Q1000.6 R1018.1 | length 5.3
  BOT w0.102: R1018.1@5.629,45.364 Q1000.3@5.629,47.219
  BOT w0.457: Q1000.3@5.629,47.219 5.629,47.319 cw(c6.629,47.319) 6.629,48.319 ccw(c6.629,49.321) 7.631,49.321 Q1000.6@7.631,49.544
NetQ1001_1: Q1001.1 R1027.1 R1028.2 | length 3.2
  BOT w0.102: Q1001.1@32.829,4.869 33.334,4.364 R1028.2@34.329,4.364 34.384,4.419 R1027.1@35.784,4.419
NetQ1001_3: Q1001.3 S1002.1 S1002.4 U1005.R12 | length 24.3
  BOT w0.102: S1002.4@12.779,3.719 S1002.1@16.879,3.719 18.335,2.263 ccw(c19.649,3.578) 19.649,1.719 27.577,1.719 ccw(c27.577,4.259) 29.373,2.463 Q1001.3@30.829,3.919 30.029,4.719 U1005.R12@30.029,8.319
NetQ1002_2: Q1002.2 R1029.1 | length 1.2
  BOT w0.102: Q1002.2@10.616,37.138 10.616,36.453 10.695,36.374 R1029.1@10.695,35.929
NetQ1003_2: Q1003.2 R1030.1 | length 1.6
  BOT w0.254: Q1003.2@14.129,36.769 cw(c14.424,36.769) 14.424,37.064 R1030.1@15.529,37.064
NetR3A_1: R3A.1 U5A.15 | length 1.9
  TOP w0.1: R3A.1@94.104,114.671 94.298,114.671 94.298,113.677 94.55,113.425 U5A.15@94.55,113.035
NetR3B_1: R3B.1 U5B.15 | length 1.9
  TOP w0.1: R3B.1@94.104,86.171 94.298,86.171 94.298,85.177 94.55,84.925 U5B.15@94.55,84.535
NetR3C_1: R3C.1 U5C.15 | length 1.9
  TOP w0.1: R3C.1@94.104,57.671 94.298,57.671 94.298,56.677 94.55,56.425 U5C.15@94.55,56.035
NetR3D_1: R3D.1 U5D.15 | length 1.9
  TOP w0.1: R3D.1@94.104,29.171 94.298,29.171 94.298,28.177 94.55,27.925 U5D.15@94.55,27.535
NetR3E_1: R3E.1 U5E.15 | length 1.9
  TOP w0.1: R3E.1@128.104,114.671 128.298,114.671 128.298,113.677 128.55,113.425 U5E.15@128.55,113.035
NetR3F_1: R3F.1 U5F.15 | length 1.9
  TOP w0.1: R3F.1@128.104,86.171 128.298,86.171 128.298,85.177 128.55,84.925 U5F.15@128.55,84.535
NetR3G_1: R3G.1 U5G.15 | length 1.9
  TOP w0.1: R3G.1@128.104,57.671 128.298,57.671 128.298,56.677 128.55,56.425 U5G.15@128.55,56.035
NetR3H_1: R3H.1 U5H.15 | length 1.9
  TOP w0.1: R3H.1@128.104,29.171 128.298,29.171 128.298,28.177 128.55,27.925 U5H.15@128.55,27.535
NetR24A_1: R24A.1 U13A.6
NetR24B_1: R24B.1 U13B.6
NetR26A_1: R26A.1 U17A.1
NetR26B_1: R26B.1 U17B.1
NetR29A_2: R29A.2 U27A.4 | length 0.8
  BOT w0.1: R29A.2@83.45,7.7 83.5,7.65 U27A.4@84.255,7.65
NetR29B_2: R29B.2 U27B.4 | length 0.8
  BOT w0.1: R29B.2@90.435,7.7 90.485,7.65 U27B.4@91.24,7.65
NetR29C_2: R29C.2 U27C.4 | length 0.8
  BOT w0.1: R29C.2@97.42,7.7 97.47,7.65 U27C.4@98.225,7.65
NetR29D_2: R29D.2 U27D.4 | length 0.8
  BOT w0.1: R29D.2@104.405,7.7 104.455,7.65 U27D.4@105.21,7.65
NetR29E_2: R29E.2 U27E.4 | length 0.8
  BOT w0.1: R29E.2@111.39,7.7 111.44,7.65 U27E.4@112.195,7.65
NetR29F_2: R29F.2 U27F.4 | length 0.8
  BOT w0.1: R29F.2@118.375,7.7 118.425,7.65 U27F.4@119.18,7.65
NetR29G_2: R29G.2 U27G.4 | length 0.8
  BOT w0.1: R29G.2@125.36,7.7 125.41,7.65 U27G.4@126.165,7.65
NetR29H_2: R29H.2 U27H.4 | length 0.8
  BOT w0.1: R29H.2@132.345,7.7 132.395,7.65 U27H.4@133.15,7.65
NetR30A_2: R30A.2 U27A.6 | length 0.8
  BOT w0.1: U27A.6@85.555,7.65 R30A.2@86.31,7.65
NetR30B_2: R30B.2 U27B.6 | length 0.8
  BOT w0.1: U27B.6@92.54,7.65 R30B.2@93.295,7.65
NetR30C_2: R30C.2 U27C.6 | length 0.8
  BOT w0.1: U27C.6@99.525,7.65 R30C.2@100.28,7.65
NetR30D_2: R30D.2 U27D.6 | length 0.8
  BOT w0.1: U27D.6@106.51,7.65 R30D.2@107.265,7.65
NetR30E_2: R30E.2 U27E.6 | length 0.8
  BOT w0.1: U27E.6@113.495,7.65 R30E.2@114.25,7.65
NetR30F_2: R30F.2 U27F.6 | length 0.8
  BOT w0.1: U27F.6@120.48,7.65 R30F.2@121.235,7.65
NetR30G_2: R30G.2 U27G.6 | length 0.8
  BOT w0.1: U27G.6@127.465,7.65 R30G.2@128.22,7.65
NetR30H_2: R30H.2 U27H.6 | length 0.8
  BOT w0.1: U27H.6@134.45,7.65 R30H.2@135.205,7.65
NetR34_3: R34.3 U9.8 | length 4.7
  TOP w0.127: v1(123.336,135.129) 125.128,135.129 126.525,136.525 U9.8@126.525,136.965
  BOT w0.127: v1(123.336,135.129) R34.3@123.8,135.129
NetR34_4: R34.4 U9.1 | length 4.4
  TOP w0.1: v1(123.336,133.732) 125.868,133.732 126.525,133.075 U9.1@126.525,132.565
  BOT w0.127: v1(123.336,133.732) R34.4@123.8,133.732
NetR35_2: R35.2 R37.1 R39.1 | length 2.1
  TOP w0.2: R35.2@125.4,145.42 R39.1@126.5,145.42 R37.1@126.5,144.41
NetR37_2: R37.2 U10.2 | length 1.9
  TOP w0.2: v1(126.5,142.565) R37.2@126.5,143.52
  BOT w0.2: v1(126.5,142.565) U10.2@126.5,143.48
NetR41_1: R41.1 U10.21 | length 3.2
  TOP w0.2: R41.1@128,148.31 v1(128,149.165)
  BOT w0.2: U10.21@126.5,148.25 126.5,148.965 126.7,149.165 v1(128,149.165)
NetR42_1: R42.1 U10.20 | length 1.8
  TOP w0.2: R42.1@126,148.31 v1(126,149.165)
  BOT w0.2: U10.20@126,148.25 v1(126,149.165)
NetR44_1: R44.1 R45.2 U12.5 | length 6.6
  TOP w0.254: U12.5@95.92,149.352 95.92,148.1 96.4,147.62 96.4,146 97.542,144.858 97.7,144.858 R44.1@97.7,143.54
NetR111_1: R111.1 R113.2 U24.5 | length 4.3
  TOP w0.2: v1(76.5,148.1) 76.7,147.9 R113.2@77.76,147.9 R111.1@77.76,145.9
  BOT w0.2: v1(76.5,148.1) 77.05,148.65 U24.5@77.25,148.65
NetR122A_1: R122A.1 U6A.2 | length 1.8
  TOP w0.1: U6A.2@94.8,117.825 94.8,117.563 95.098,117.265 95.098,116.747 R122A.1@95.545,116.3